# Altium PCB DBBC7505S-F.PcbDoc (part 2 of 2)
Units mm, origin at the board's own origin, x right, y up, seen from the top; angles counter-clockwise.
Board outline 96.27 x 96.01 mm, 6 copper layers (Top Layer, Mid Layer 1, Mid Layer 2, Mid Layer 3, Mid Layer 4, Bottom Layer), stack 1.509 mm thick; 167 components, 77 nets, 517 pads, 1243 vias.
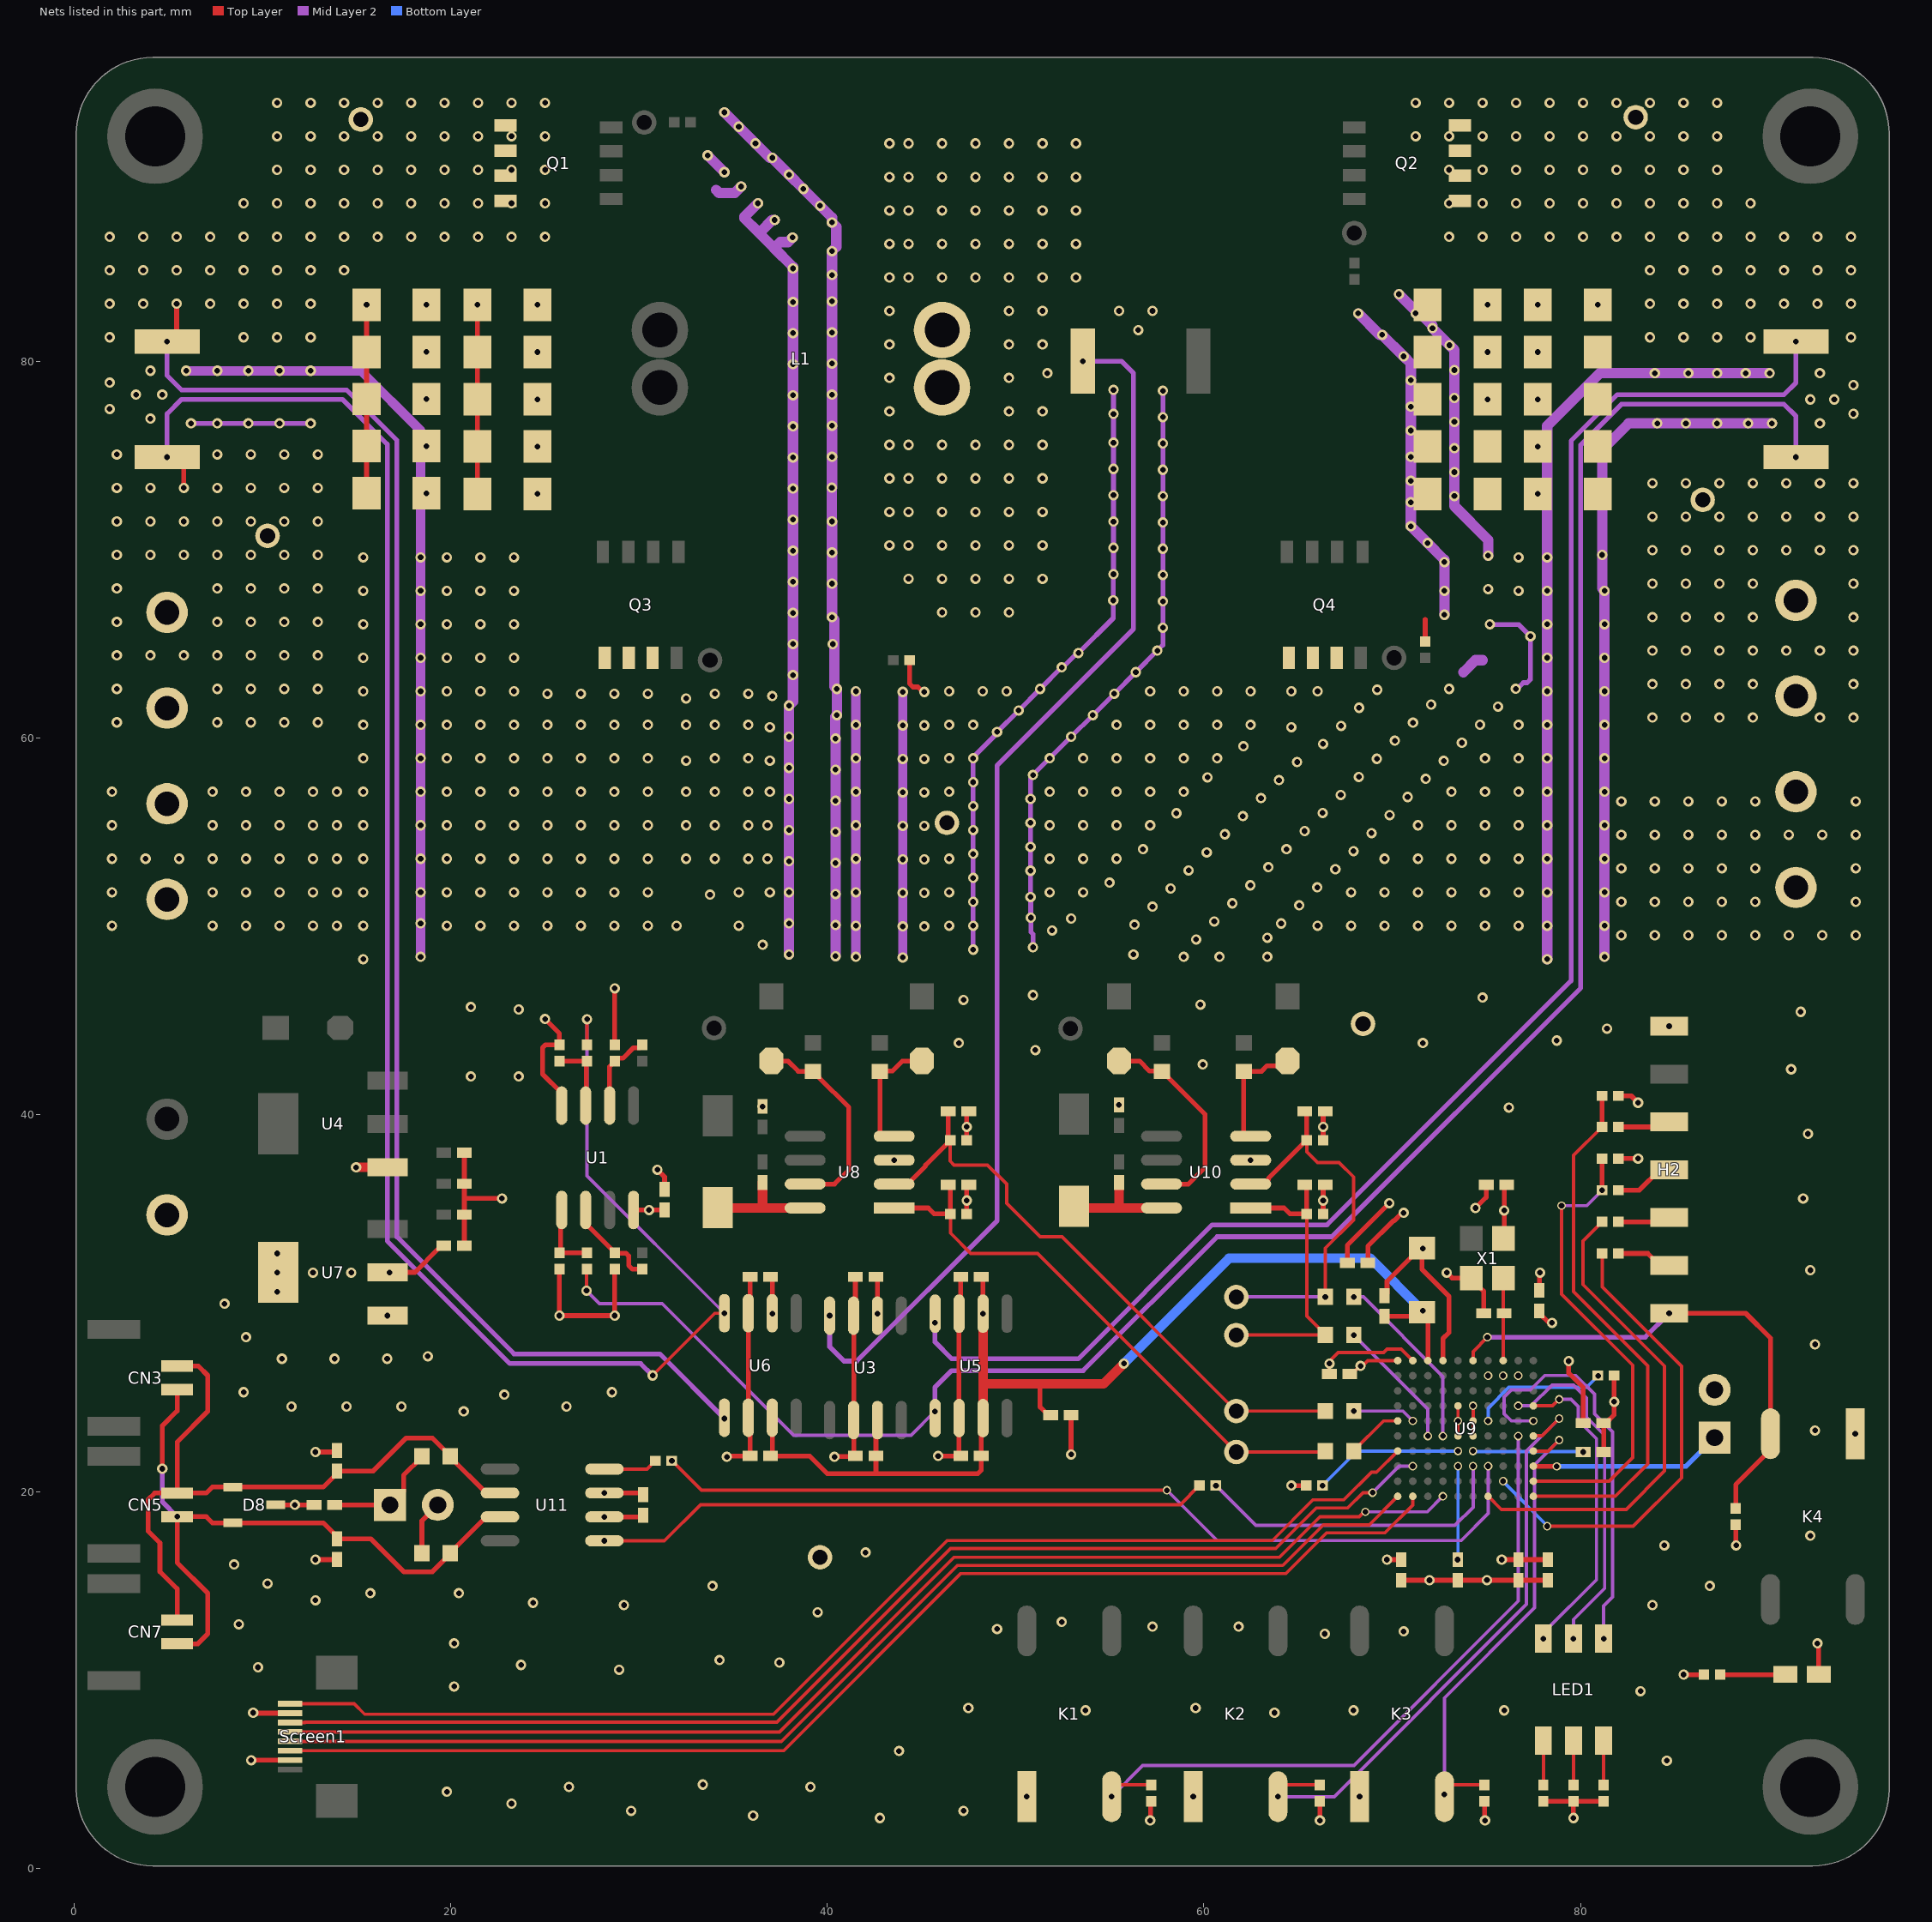
[diagram p6: the nets of this part, all layers, seen from the top]

## Via types
v1: diameter 0.55, hole 0.3, Top Layer to Bottom Layer, 1192 vias
v2: diameter 0.45, hole 0.3, Top Layer to Bottom Layer, 51 vias

## Nets (pads, with @x,y where several pads share a name; then routed paths per layer and width w, separated by ;. In a path a pad name is that pad's centre, name@x,y a point inside that pad or via, vN(x,y) a via of type N, cw(c..) or ccw(c..) an arc to the next point about the centre after c; other vN are vias at no path point) (continued)
C1N: C1.1 C3.1 C4.1 C5.1 C6.1 C7.1 C8.2 C9.2 C10.2 C11.1 C12.1 C13.1 C14.2 C15.2 C16.2 C17.1 C18.2 C19.2 C20.2 C21.1 C22.1 C23.1 C24.2 C25.2 C26.2 C27.1 C28.1 C29.1 C30.2 C31.2 C32.2 C33.1 C34.2 C36.2 C37.1 C38.1 C39.2 C40.1 C41.2 C42.2 C43.2 C44.2 C45.1 C46.1 C47.1 C48.1 C50.2 C51.2 C52.1 C53.1 C54.1 C55.2 C56.1 C57.1 C58.1 CN4.2 CN6.1 CN6.2 CN8.1 CN8.2 D8.3 H1.2 H2.7 K1.1 K2.1 K3.1 K4.1 LED2.2 Q3.1 Q3.2 Q3.3 Q4.1 Q4.2 Q4.3 R7.2 R12.1 R18.1 R19.1 R21.1 R22.1 R28.1 R29.1 R32.1 R33.1 R35.1 R37.1 Screen1.2 TP5.1 TP6.1 TP7.1 U1.4 U3.2 U3.7 U4.1 U5.2 U5.7 U6.2 U6.7 U7.1 U8.3 U9.C2 U9.E4 U9.E5 U9.E6 U9.G1 U9.J1 U10.3 U11.2 X1.2 | length 476.6
  Top Layer w0.178: C41.2@66.659,26.248 66.659,26.908 67.132,27.381 69.545,27.381 69.723,27.559 70.485,27.559 U9.J1@71.095,26.949 ; U9.E6@74.295,22.949 U9.E5@74.295,23.749 v2(74.295,24.549) ; C36.2@74.731,29.464 C36.2@74.856,29.464
  Top Layer w0.254: v1@9.398,5.715 v1(9.418,5.735) Screen1.2@11.473,5.735 ; D8.3@10.719,19.29 v1(11.737,19.29) C58.1@12.755,19.29 ; v1(12.827,16.383) 13.954,16.383 C57.1@13.97,16.399 ; v1(12.827,22.098) 13.889,22.098 C56.1@13.97,22.179 ; U4.1@16.655,37.211 U4.1@16.655,37.218 ; C29.1@20.736,33.057 C28.1@20.736,34.699 20.736,35.56 ; C12.1@20.736,37.984 20.736,35.56 ; v1(22.733,35.56) 20.736,35.56 ; v1(25.019,45.085) 25.785,44.319 R18.1@25.785,43.713 25.044,43.713 24.892,43.561 24.892,42.164 25.908,41.148 U1.4@25.908,40.491 ; R19.1@25.785,31.803 v1(25.785,29.337) v1(28.722,29.337) R12.1@28.722,31.803 ; v1(28.172,18.655) 30.144,18.655 C55.2@30.234,18.745 ; v1@28.702,46.736 v1(28.722,46.716) R7.2@28.722,43.713 ; v1(30.988,37.084) 31.369,36.703 C1.1@31.369,36.037 ; v1(34.671,21.844) 34.717,21.89 C4.1@35.904,21.89 35.904,23.898 35.814,23.898 35.814,29.442 35.904,29.442 C3.1@35.904,31.396 ; v1(40.386,21.844) 40.409,21.867 41.477,21.867 C5.1@41.5,21.89 ; C5.1@41.41,21.89 41.41,23.898 41.41,29.442 41.5,29.442 C22.1@41.5,31.396 ; R21.1@44.375,64.135 44.375,62.893 44.554,62.714 44.816,62.714 45.077,62.452 v1(45.157,62.452) ; v1@45.847,21.844 v1(45.893,21.89) C6.1@47.006,21.89 ; C6.1@47.096,21.89 C6.1@47.006,21.89 ; C23.1@47.096,31.396 47.096,29.442 U5.7@47.006,29.442 U5.2@47.006,23.898 C6.1@47.006,21.89 ; R28.1@47.409,34.737 v1(47.409,35.452) 47.409,36.166 C37.1@47.521,36.279 ; R29.1@47.409,38.653 v1(47.409,39.363) 47.409,40.073 C38.1@47.521,40.185 ; C7.1@52.951,24.059 52.951,21.979 v1(52.959,21.971) ; R32.1@66.335,34.737 v1(66.335,35.452) 66.335,36.166 C52.1@66.447,36.279 ; R33.1@66.335,38.653 v1(66.335,39.363) 66.335,40.073 C53.1@66.447,40.185 ; C42.2@67.617,32.131 67.617,33.073 v1(69.85,35.306) ; C44.2@69.596,30.39 69.727,30.521 69.727,31.166 71.482,32.921 C39.2@71.582,32.921 71.582,31.796 73.025,30.353 73.025,28.448 72.695,28.118 U9.G1@72.695,26.949 U9.G1@72.723,26.977 ; C46.1@70.484,15.293 v1(71.982,15.293) C51.2@73.48,15.293 C45.1@78.272,15.293 ; R22.1@71.755,65.128 71.755,66.294 ; v1(72.898,31.623) 73.186,31.335 X1.2@74.207,31.335 74.207,31.285 74.856,30.636 C36.2@74.856,29.464 ; v1(74.422,35.052) 74.993,35.623 C34.2@74.993,36.287 ; C48.1@77.818,30.679 77.818,31.59 v1(77.851,31.623) ; C50.2@81.227,22.098 C47.1@81.227,23.635 81.352,23.635 81.788,24.071 v1(81.788,24.765) R35.1@81.788,26.162 ; R37.1@82.019,37.675 v1(83.058,37.675) ; v1(92.583,11.938) 92.647,11.874 LED2.2@92.647,10.287
  Top Layer w0.508: v1(14.986,37.211) U4.1@16.655,37.211
  Mid Layer 2 w0.254: v1(6.223,76.708) v1(7.62,76.708) v1(9.271,76.708) v1(10.922,76.708) v1(12.573,76.708) ; v1(47.752,48.768) v1(47.752,50.038) v1(47.752,51.308) v1(47.752,52.578) v1(47.752,53.848) v1(47.752,55.118) v1(47.752,56.388) v1(47.752,57.658) v1(47.752,58.928) 47.752,58.992 49.022,60.262 v1(49.022,60.325) v1(50.165,61.468) v1(51.308,62.611) v1(52.451,63.754) 52.514,63.754 53.276,64.516 v1(53.34,64.516) 55.193,66.369 v1(55.193,67.313) 55.197,67.317 55.197,68.697 v1(55.202,68.702) ; v1(50.927,48.895) 50.927,49.596 50.816,49.707 v1(50.816,50.464) 50.808,50.472 50.808,51.554 v1(50.8,51.562) v1(50.8,52.959) v1(50.8,54.229) v1(50.8,55.499) v1(50.8,56.769) 50.8,57.832 50.906,57.938 50.906,58.018 v1(50.927,58.039) v1(51.816,58.928) v1(52.959,60.071) v1(54.102,61.214) v1(55.245,62.357) v1(56.388,63.5) v1(57.531,64.643) 57.531,64.645 57.826,64.94 v1(57.826,65.863) v1(57.826,67.26) v1(57.826,68.657) v1(57.826,70.054) v1(57.826,71.451) v1(57.826,72.848) v1(57.826,74.245) v1(57.826,75.642) v1(57.826,77.039) v1(57.826,78.436) ; v1@55.202,68.622 v1(55.202,68.702) ; v1(55.202,78.481) v1(55.202,77.211) 55.202,77.186 v1(55.202,75.687) v1(55.202,74.29) v1(55.202,72.893) v1(55.202,71.496) v1(55.202,70.099) v1(55.202,68.702) ; 71.756,82.286 71.756,82.295 ; v1(75.184,66.04) 75.205,66.019 76.729,66.019 v1(77.343,65.405) 77.343,63.119 77.163,62.939 76.968,62.939 76.645,62.616 v1(76.565,62.616)
  Mid Layer 2 w0.5: v1(5.969,79.502) v1(7.62,79.502) v1(9.271,79.502) v1(10.922,79.502) v1(12.573,79.502) 15.24,79.502 18.415,76.327 ; v1(41.529,48.387) v1(41.529,50.038) v1(41.529,51.816) v1(41.529,53.594) v1(41.529,55.372) v1(41.529,57.15) v1(41.529,58.928) v1(41.529,60.706) v1(41.529,62.484) ; v1(44.014,48.355) v1(44.014,50.006) v1(44.014,51.784) v1(44.014,53.562) v1(44.014,55.34) v1(44.014,57.118) v1(44.014,58.896) v1(44.014,60.674) v1(44.014,62.452)
  Mid Layer 2 w0.508: v1(18.415,48.387) v1(18.415,50.165) v1(18.415,51.816) v1(18.415,53.594) v1(18.415,55.372) v1(18.415,57.15) v1(18.415,58.928) v1(18.415,60.706) v1(18.415,62.484) v1(18.415,64.262) v1(18.415,66.04) v1(18.415,67.818) v1(18.415,69.596) 18.415,76.327
  Mid Layer 2 w0.55: v1(33.655,90.932) v1(34.544,90.043) ; 34.106,89.097 34.261,88.943 35.095,88.943 v1(35.433,89.281) ; v1(34.544,93.218) v1(35.306,92.456) v1(36.195,91.567) 36.957,90.805 v1(37.084,90.805) v1(37.973,89.916) v1(38.735,89.154) v1(39.624,88.265) 40.259,87.63 v1(40.259,87.376) 40.487,87.148 40.487,86.08 v1(40.259,85.852) v1(40.259,84.582) v1(40.259,83.185) v1(40.259,81.534) v1(40.259,79.883) v1(40.259,78.232) v1(40.259,76.581) v1(40.259,74.93) 40.259,73.306 v1(40.246,73.293) 40.246,71.514 v1(40.259,71.501) v1(40.259,69.85) v1(40.259,68.199) v1(40.259,66.421) 40.386,66.294 40.386,62.738 v1(40.513,62.611) v1(40.513,61.214) 40.429,61.13 40.429,59.99 v1(40.443,59.976) v1(40.443,58.325) v1(40.443,56.674) v1(40.443,55.023) v1(40.443,53.372) v1(40.443,51.721) v1(40.443,50.07) v1(40.443,48.419) ; v1(36.322,88.392) 35.615,87.685 35.615,87.589 36.336,86.868 36.449,86.868 37.084,87.503 v1(37.211,87.503) ; 36.392,86.811 37.098,86.106 37.281,86.106 37.506,86.331 37.921,86.331 v1(38.164,86.574) ; 37.154,86.049 38.186,85.018 v1(38.186,84.932) v1(38.186,83.154) v1(38.186,81.503) v1(38.186,79.852) v1(38.186,78.201) v1(38.186,76.55) v1(38.186,74.899) v1(38.186,73.248) v1(38.186,71.597) v1(38.186,69.946) v1(38.186,68.295) v1(38.186,66.644) v1(38.186,64.993) v1(38.186,63.342) 38.186,61.935 v1(37.973,61.722) v1(37.973,60.071) v1(37.973,58.42) v1(37.973,56.769) v1(37.973,55.118) v1(37.973,53.467) v1(37.973,51.816) v1(37.973,50.165) v1(37.973,48.514) ; v1(68.199,82.55) 69.342,81.407 v1(69.469,81.407) v1(70.612,80.264) 70.993,79.883 v1(70.993,78.994) v1(70.993,77.597) v1(70.993,76.327) v1(70.993,74.93) v1(70.993,73.66) v1(70.993,72.517) v1(70.993,71.247) v1(71.882,70.358) 72.771,69.469 v1(72.771,69.342) v1(72.771,67.818) v1(72.771,66.548) ; v1(70.358,83.566) 71.247,82.677 v1(71.247,82.55) 71.501,82.55 71.756,82.295 ; 71.756,82.286 72.14,81.902 v1(72.14,81.76) 73.041,80.859 v1(73.048,80.859) 73.302,80.605 v1(73.302,79.537) v1(73.302,78.056) v1(73.302,76.786) v1(73.302,75.389) v1(73.302,74.119) v1(73.302,72.849) 73.302,72.317 75.097,70.522 v1(75.097,69.684) ; 73.787,63.5 74.422,64.135 74.803,64.135 ; v1(78.232,48.26) v1(78.232,50.038) v1(78.232,51.816) v1(78.232,53.594) v1(78.232,55.372) v1(78.232,57.15) v1(78.232,58.928) v1(78.232,60.706) v1(78.232,62.484) v1(78.232,64.262) v1(78.232,66.04) v1(78.232,67.818) v1(78.232,69.596) 78.232,76.581 81.026,79.375 v1(83.947,79.375) v1(85.725,79.375) v1(87.249,79.375) v1(88.773,79.375) v1(90.043,79.375) ; v1(81.28,48.387) v1(81.28,50.038) v1(81.28,51.816) v1(81.28,53.594) v1(81.28,55.372) v1(81.28,57.15) v1(81.28,58.928) v1(81.28,60.706) v1(81.28,62.484) v1(81.28,64.262) v1(81.28,66.04) v1(81.28,67.818) 81.153,67.945 v1(81.153,69.723) 81.153,75.311 82.55,76.708 v1(84.074,76.708) v1(85.598,76.708) v1(87.249,76.708) v1(88.9,76.708) v1(90.17,76.708)
  other v1: 42.799,2.667 36.068,2.794 29.591,3.048 47.244,3.048 23.241,3.429 50.602,3.803 59.438,3.803 68.273,3.803 19.812,4.064 26.289,4.318 39.116,4.318 33.401,4.445 84.582,5.715 43.815,6.223 63.754,8.255 53.721,8.382 67.945,8.382 75.946,8.382 47.498,8.509 59.563,8.509 83.185,9.398 20.193,9.652 28.956,10.541 9.779,10.668 23.749,10.795 37.465,10.922 34.29,11.049 20.193,11.938 66.421,12.446 70.612,12.573 49.022,12.7 57.277,12.827 61.849,12.827 8.763,12.954 52.451,13.081 39.497,13.589 29.21,13.97 83.82,13.97 24.384,14.097 12.827,14.224 15.748,14.605 20.447,14.605 33.909,14.986 86.868,14.986 10.287,15.113 75.032,15.296 8.509,16.129 42.037,16.764 84.455,17.145 92.202,17.653 94.59,23.069 92.456,23.241 20.701,24.257 11.557,24.511 14.478,24.511 17.399,24.511 26.162,24.511 22.86,25.146 9.017,25.273 28.575,25.273 66.675,26.797 11.049,27.051 13.843,27.051 16.637,27.051 18.796,27.178 92.456,27.813 9.144,28.194 16.655,29.337 8.001,29.972 92.202,31.75 71.628,32.893 91.821,35.56 43.561,37.592 62.487,37.592 92.075,38.989 76.2,40.386 36.568,40.445 55.493,40.522 21.082,42.037 23.622,42.037 91.186,42.418 59.944,42.672 51.054,43.434 46.99,43.815 71.628,43.815 78.74,43.942 81.407,44.577 84.709,44.704 91.694,45.466 23.622,45.593 21.082,45.72 59.817,45.847 47.244,46.101 74.803,46.228 50.927,46.355 15.367,48.26 58.928,48.387 60.833,48.387 63.373,48.387 56.261,48.514 36.576,49.022 59.594,49.307 63.373,49.403 82.169,49.53 83.947,49.53 85.725,49.53 87.503,49.53 89.281,49.53 91.059,49.53 92.837,49.53 94.615,49.53 51.943,49.784 45.157,50.006 2.032,50.038 7.366,50.038 9.144,50.038 10.922,50.038 12.7,50.038 13.97,50.038 15.367,50.038 19.812,50.038 21.59,50.038 23.368,50.038 25.146,50.038 26.924,50.038 28.702,50.038 30.48,50.038 32.004,50.038 35.306,50.038 46.482,50.038 66.04,50.038 67.818,50.038 69.596,50.038 71.374,50.038 73.152,50.038 74.93,50.038 76.708,50.038 56.318,50.095 64.107,50.158 60.553,50.266 52.959,50.419 57.277,51.054 65.066,51.117 61.513,51.226 82.169,51.308 83.947,51.308 85.725,51.308 87.503,51.308 89.281,51.308 94.615,51.308 33.782,51.689 45.157,51.784 2.032,51.816 7.366,51.816 9.144,51.816 10.922,51.816 12.7,51.816 13.97,51.816 15.367,51.816 19.812,51.816 21.59,51.816 23.368,51.816 25.146,51.816 26.924,51.816 28.702,51.816 30.48,51.816 35.306,51.816 36.957,51.816 46.482,51.816 51.816,51.816 53.594,51.816 67.818,51.816 69.596,51.816 71.374,51.816 73.152,51.816 74.93,51.816 76.708,51.816 58.236,52.013 66.026,52.077 62.472,52.185 54.991,52.324 59.196,52.973 66.985,53.036 82.169,53.086 83.947,53.086 85.725,53.086 87.503,53.086 89.281,53.086 94.615,53.086 63.431,53.144 45.157,53.562 2.032,53.594 3.81,53.594 5.588,53.594 7.366,53.594 9.144,53.594 10.922,53.594 12.7,53.594 13.97,53.594 15.367,53.594 19.812,53.594 21.59,53.594 23.368,53.594 25.146,53.594 26.924,53.594 28.702,53.594 30.48,53.594 32.512,53.594 34.036,53.594 35.814,53.594 36.83,53.594 46.482,53.594 51.816,53.594 53.594,53.594 55.372,53.594 69.596,53.594 71.374,53.594 73.152,53.594 74.93,53.594 76.708,53.594 60.155,53.932 67.944,53.996 56.769,54.102 64.391,54.104 82.169,54.864 83.947,54.864 85.725,54.864 87.503,54.864 89.281,54.864 91.059,54.864 92.837,54.864 94.615,54.864 61.114,54.891 68.904,54.955 65.35,55.063 45.157,55.34 2.032,55.372 7.366,55.372 9.144,55.372 10.922,55.372 12.7,55.372 13.97,55.372 15.367,55.372 19.812,55.372 21.59,55.372 23.368,55.372 25.146,55.372 26.924,55.372 28.702,55.372 30.48,55.372 32.512,55.372 34.036,55.372 35.814,55.372 36.83,55.372 51.816,55.372 53.594,55.372 55.372,55.372 57.15,55.372 71.374,55.372 73.152,55.372 74.93,55.372 76.708,55.372 62.074,55.851 69.863,55.914 58.547,56.007 66.309,56.022 82.169,56.642 83.947,56.642 85.725,56.642 87.503,56.642 89.281,56.642 94.615,56.642 63.033,56.81 70.823,56.874 67.269,56.982 45.157,57.118 2.032,57.15 7.366,57.15 9.144,57.15 10.922,57.15 12.7,57.15 13.97,57.15 15.367,57.15 19.812,57.15 21.59,57.15 23.368,57.15 25.146,57.15 26.924,57.15 28.702,57.15 30.48,57.15 32.512,57.15 34.036,57.15 35.814,57.15 36.957,57.15 46.482,57.15 51.816,57.15 53.594,57.15 55.372,57.15 57.15,57.15 58.928,57.15 73.152,57.15 74.93,57.15 76.708,57.15 63.993,57.77 71.782,57.833 60.198,57.912 68.228,57.941 64.952,58.729 32.512,58.801 36.957,58.801 72.741,58.792 45.157,58.896 69.188,58.901 15.367,58.928 19.812,58.928 21.59,58.928 23.368,58.928 25.146,58.928 26.924,58.928 28.702,58.928 30.48,58.928 34.036,58.928 35.814,58.928 46.482,58.928 53.594,58.928 55.372,58.928 57.15,58.928 58.928,58.928 60.706,58.928 74.93,58.928 76.708,58.928 62.103,59.563 66.327,59.688 73.701,59.752 70.147,59.86 36.957,60.579 64.643,60.579 67.286,60.648 45.157,60.674 15.367,60.706 19.812,60.706 21.59,60.706 23.368,60.706 25.146,60.706 26.924,60.706 28.702,60.706 30.48,60.706 32.512,60.706 34.036,60.706 35.814,60.706 46.482,60.706 47.752,60.706 55.372,60.706 57.15,60.706 58.928,60.706 60.706,60.706 62.484,60.706 74.66,60.711 76.708,60.706 71.106,60.819 68.246,61.607 75.619,61.671 72.066,61.779 32.512,62.103 37.084,62.23 25.146,62.357 26.924,62.357 28.702,62.357 30.48,62.357 34.036,62.357 35.814,62.357 15.367,62.484 19.812,62.484 21.59,62.484 23.368,62.484 46.482,62.484 48.26,62.484 49.53,62.484 57.15,62.484 58.928,62.484 60.706,62.484 62.484,62.484 64.643,62.484 66.04,62.484 69.205,62.566 73.025,62.611 15.367,64.262 19.812,64.262 21.59,64.262 23.368,64.262 40.296,64.991 15.367,66.04 19.812,66.04 21.59,66.04 23.368,66.04 15.367,67.818 19.812,67.818 21.59,67.818 23.368,67.818 76.708,67.818 75.097,67.906 15.367,69.596 19.812,69.596 21.59,69.596 23.368,69.596 76.708,69.596 24.613,72.967 77.726,72.967 18.729,73.001 24.613,75.475 77.726,75.475 18.729,75.501 92.71,76.708 4.064,76.962 94.488,77.216 1.905,77.47 24.613,77.983 77.726,77.983 92.202,77.978 93.472,77.978 18.729,78 3.302,78.232 4.699,78.232 94.488,78.74 1.905,78.867 92.71,79.375 4.064,79.502 18.729,80.5 24.613,80.492 77.726,80.492 56.515,81.661 55.499,82.677 57.277,82.677 18.729,83 24.613,83 77.726,83
  other v2: 75.895,26.149
C1P: C8.1 C9.1 C14.1 C15.1 C18.1 C19.1 C24.1 C25.1 C30.1 C31.1 Q1.5 Q1.6 Q1.7 Q1.8 R4.2 TP1.1 U6.1 | length 101.6
  Top Layer w0.254: v1(4.953,81.05) 5.461,81.05 v1(5.461,83.058) ; C18.1@15.544,73.001 C14.1@15.544,75.501 C15.1@15.544,78 C8.1@15.544,80.5 v1(15.544,83) ; C31.1@21.428,72.967 C24.1@21.428,75.475 C25.1@21.428,77.983 C30.1@21.428,80.492 v1(21.428,83)
  Mid Layer 2 w0.254: v1(4.953,81.05) 4.953,79.248 5.715,78.486 14.478,78.486 17.155,75.809 17.155,33.518 23.368,27.305 31.115,27.305 v1(34.544,23.876)
  other v1: 1.905,81.28 9.017,81.28 10.795,81.28 12.573,81.28 1.905,83.058 3.683,83.058 7.239,83.058 9.017,83.058 10.795,83.058 12.573,83.058 1.905,84.836 3.683,84.836 5.461,84.836 7.239,84.836 9.017,84.836 10.795,84.836 12.573,84.836 14.351,84.836 1.905,86.614 3.683,86.614 5.461,86.614 7.239,86.614 9.017,86.614 10.795,86.614 12.573,86.614 14.351,86.614 16.129,86.614 17.907,86.614 19.685,86.614 21.463,86.614 23.241,86.614 25.019,86.614 9.017,88.392 10.795,88.392 12.573,88.392 14.351,88.392 16.129,88.392 17.907,88.392 19.685,88.392 21.463,88.392 23.241,88.392 25.019,88.392 10.795,90.17 12.573,90.17 14.351,90.17 16.129,90.17 17.907,90.17 19.685,90.17 21.463,90.17 23.241,90.17 25.019,90.17 10.795,91.948 12.573,91.948 14.351,91.948 16.129,91.948 17.907,91.948 19.685,91.948 21.463,91.948 23.241,91.948 25.019,91.948 10.795,93.726 12.573,93.726 14.351,93.726 16.129,93.726 17.907,93.726 19.685,93.726 21.463,93.726 23.241,93.726 25.019,93.726
C2P: C10.1 C11.2 C16.1 C17.2 C20.1 C21.2 C26.1 C27.2 C32.1 C33.2 Q2.5 Q2.6 Q2.7 Q2.8 R6.1 TP2.1 U5.8 | length 87.5
  Mid Layer 2 w0.254: v1(45.72,28.956) 45.72,27.94 46.615,27.045 53.334,27.045 60.446,34.157 66.542,34.157 79.502,47.117 79.502,75.775 81.959,78.232 90.805,78.232 91.44,78.867 v1(91.44,81.05)
  other v1: 75.061,77.983 75.061,80.492 83.693,81.28 85.471,81.28 87.249,81.28 89.027,81.28 94.361,81.28 75.061,83 80.911,83 83.693,83.058 85.471,83.058 87.249,83.058 89.027,83.058 90.805,83.058 92.583,83.058 94.361,83.058 83.693,84.836 85.471,84.836 87.249,84.836 89.027,84.836 90.805,84.836 92.583,84.836 94.361,84.836 73.025,86.614 74.803,86.614 76.581,86.614 78.359,86.614 80.137,86.614 81.915,86.614 83.693,86.614 85.471,86.614 87.249,86.614 89.027,86.614 90.805,86.614 92.583,86.614 94.361,86.614 73.025,88.392 74.803,88.392 76.581,88.392 78.359,88.392 80.137,88.392 81.915,88.392 83.693,88.392 85.471,88.392 87.249,88.392 89.027,88.392 73.025,90.17 74.803,90.17 76.581,90.17 78.359,90.17 80.137,90.17 81.915,90.17 83.693,90.17 85.471,90.17 87.249,90.17 71.247,91.948 73.025,91.948 74.803,91.948 76.581,91.948 78.359,91.948 80.137,91.948 81.915,91.948 83.693,91.948 85.471,91.948 87.249,91.948 71.247,93.726 73.025,93.726 74.803,93.726 76.581,93.726 78.359,93.726 80.137,93.726 81.915,93.726 83.693,93.726 85.471,93.726 87.249,93.726
CAN_RX: R34.2 U11.4 | length 2.9
  Top Layer w0.178: U11.4@28.172,21.195 30.432,21.195 30.871,21.634 R34.2@30.884,21.634
CAN_TX: R24.2 U11.1 | length 32.8
  Top Layer w0.178: v2(28.172,17.385) 31.355,17.385 33.274,19.304 58.749,19.304 R24.2@59.765,20.32
CANH: C57.2 CN3.1 CN5.1 CN7.1 D8.2 R40.2 U11.7 | length 35.8
  Top Layer w0.254: v1(4.699,21.209) 4.699,23.495 5.485,24.281 CN3.1@5.485,25.41 ; CN7.1@5.485,11.919 6.585,11.919 7.112,12.446 7.112,14.605 5.485,16.232 v1(5.485,18.665) 7.03,18.665 7.355,18.34 D8.2@8.451,18.34 13.245,18.34 13.97,17.614 C57.2@13.97,17.489 15.77,17.489 17.526,15.734 19.031,15.734 19.988,16.69 R40.2@19.988,16.719 19.988,16.748 21.895,18.655 U11.7@22.628,18.655
  Mid Layer 2 w0.254: v1(4.699,21.209) 4.699,19.451 v1(5.485,18.665)
CANL: C56.2 CN3.2 CN5.2 CN7.2 D8.1 R39.2 U11.6 | length 37.2
  Top Layer w0.254: CN7.2@5.485,13.169 5.485,14.835 4.572,15.748 4.572,17.272 3.937,17.907 3.937,19.558 4.294,19.915 CN5.2@5.485,19.915 ; CN3.2@5.485,26.66 6.614,26.66 7.112,26.162 7.112,24.257 5.485,22.63 CN5.2@5.485,19.915 ; U11.6@22.628,19.925 21.898,19.925 19.988,21.834 R39.2@19.988,21.863 19.988,21.892 19.034,22.846 17.653,22.846 15.897,21.089 C56.2@13.97,21.089 13.97,20.964 13.245,20.24 D8.1@8.451,20.24 7.354,20.24 7.03,19.915 CN5.2@5.485,19.915
CS: Screen1.8 U9.K7 | length 64.8
  Top Layer w0.178: Screen1.8@11.473,8.735 14.887,8.735 15.443,8.179 37.148,8.179 46.368,17.399 63.64,17.399 65.799,19.558 67.437,19.558 68.902,21.023 69.169,21.023 U9.K7@70.295,22.149
Iin+: CN1.1 CN1.2 R4.1 R15.2 TP3.1 U6.8 | length 102.3
  Top Layer w0.178: v1(27.249,45.077) 27.249,43.717 R15.2@27.254,43.713 ; v1(30.734,26.162) 34.036,29.464 v1(34.544,29.464)
  Top Layer w0.254: v1(4.953,74.917) 5.842,74.917 v1(5.842,73.279)
  Mid Layer 2 w0.178: v1(27.249,45.077) 27.249,36.759 v1(34.544,29.464)
  Mid Layer 2 w0.254: v1(4.953,74.917) 4.953,77.216 5.715,77.978 14.268,77.978 16.647,75.599 16.647,33.308 23.158,26.797 30.099,26.797 v1(30.734,26.162)
  other v1: 2.286,60.833 7.62,60.833 9.398,60.833 11.176,60.833 12.954,60.833 2.286,62.611 7.62,62.611 9.398,62.611 11.176,62.611 12.954,62.611 2.286,64.389 4.064,64.389 5.842,64.389 7.62,64.389 9.398,64.389 11.176,64.389 12.954,64.389 2.286,66.167 7.62,66.167 9.398,66.167 11.176,66.167 12.954,66.167 2.286,67.945 7.62,67.945 9.398,67.945 11.176,67.945 12.954,67.945 2.286,69.723 4.064,69.723 5.842,69.723 7.62,69.723 9.398,69.723 11.176,69.723 12.954,69.723 2.286,71.501 4.064,71.501 5.842,71.501 7.62,71.501 9.398,71.501 11.176,71.501 12.954,71.501 2.286,73.279 4.064,73.279 7.62,73.279 9.398,73.279 11.176,73.279 12.954,73.279 2.286,75.057 7.62,75.057 9.398,75.057 11.176,75.057 12.954,75.057